# Altium PCB TimeCard-DC-V1.PcbDoc (part 2 of 3)
Units mil, origin at the board's own origin, x right, y up, seen from the top; angles counter-clockwise.
Board outline 7087.6 x 4375.98 mil, 6 copper layers (TOP, SGND, IN1, IN2, SGND1, BOTTOM), stack 47.2 mil thick; 120 components, 111 nets, 769 pads, 335 vias.
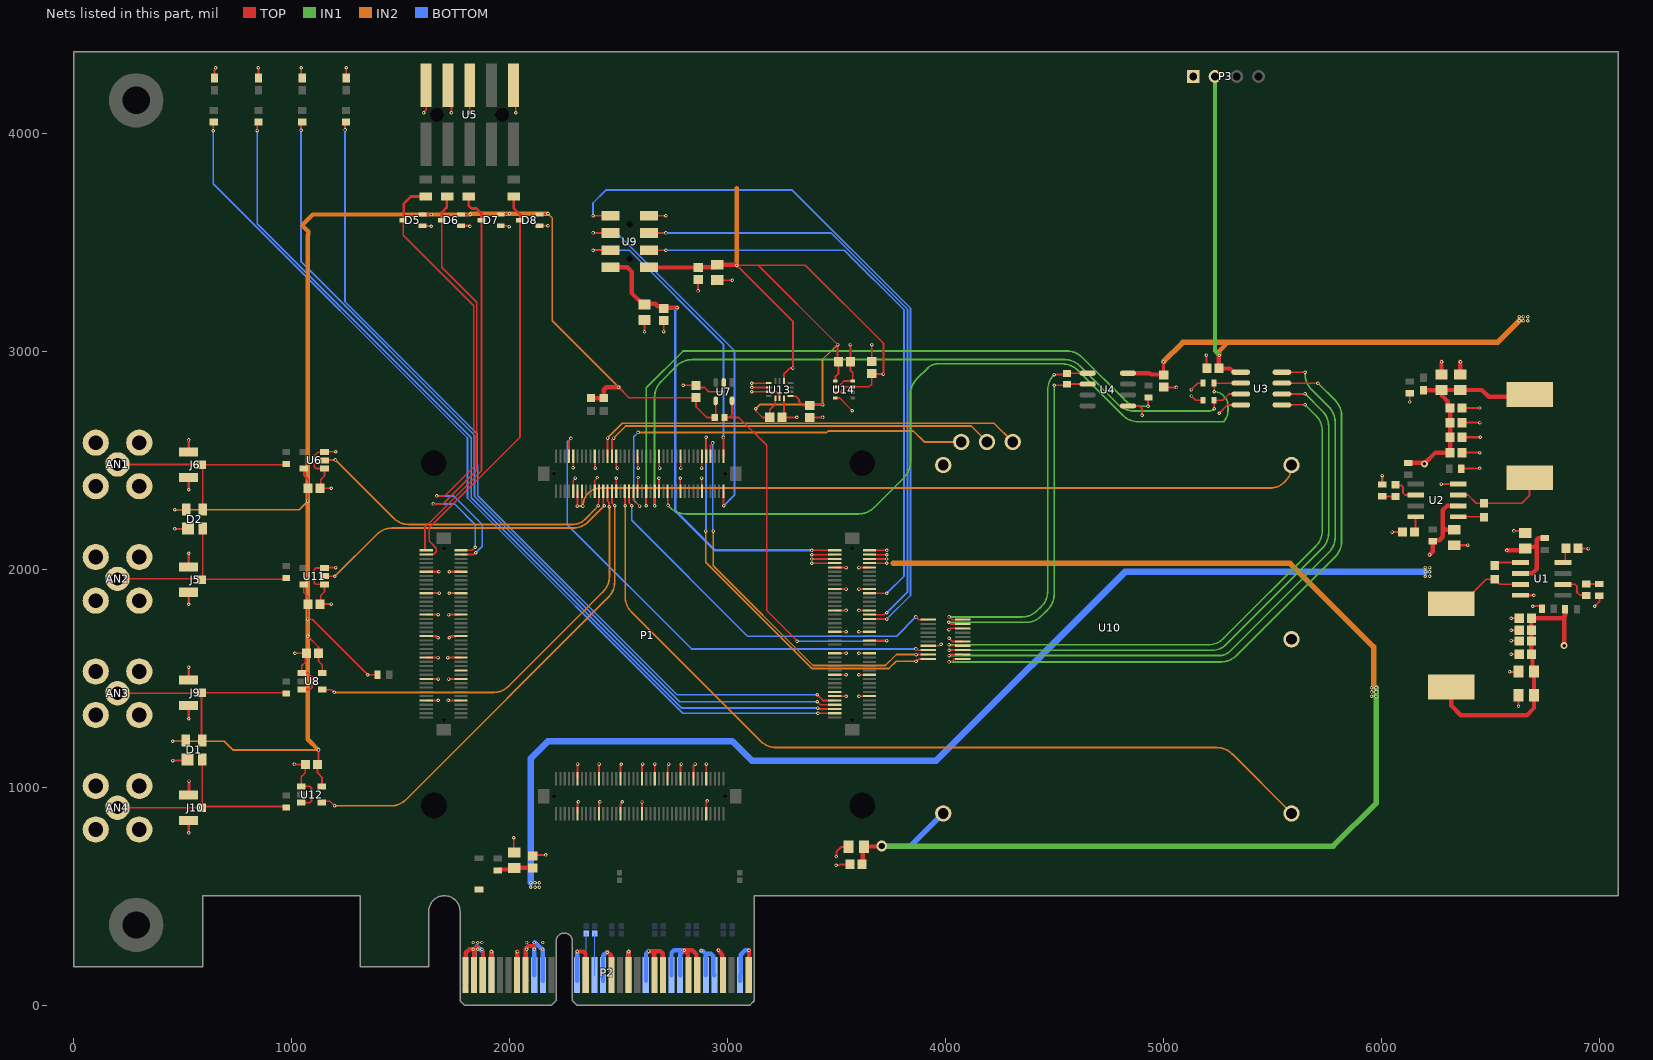
[diagram p6: the nets of this part, all layers, seen from the top]

## Via types
v1: diameter 16, hole 8, TOP to BOTTOM, tented both sides, 328 vias
v2: diameter 200, hole 122, TOP to BOTTOM, 4 vias
v3: diameter 32, hole 16, TOP to BOTTOM, tented both sides, 2 vias
v4: diameter 50, hole 28, TOP to BOTTOM, 1 vias

## Nets (pads, with @x,y where several pads share a name; then routed paths per layer and width w, separated by ;. In a path a pad name is that pad's centre, name@x,y a point inside that pad or via, vN(x,y) a via of type N, cw(c..) or ccw(c..) an arc to the next point about the centre after c; other vN are vias at no path point)
+3.3V: C7.1 C8.1 C9.2 C10.2 C11.2 C12.2 C23.2 C24.1 C25.2 C26.1 C27.1 C28.1 C29.1 C30.2 C31.2 C32.2 C33.2 C58.1 C59.2 D1.4 D2.4 D4.2 D5.2 D6.2 D7.2 D8.2 D11.2 D12.2 D13.2 D14.2 L2.1 P3.2 R5.2 R22.2 R26.2 R27.2 R37.2 U3.1 U4.8 U5.4 U5.6 U6.5 U7.4 U8.5 U9.2 U11.5 U12.5 U13.5 U13.8 U13.12 U14.2 U14.6 U14.8 | length 17224.9
  TOP w8: v1(452.76,1210.63) 509.84,1210.63 D1.4@513.78,1214.57 ; v1(462.6,2273.62) D2.4@515.75,2273.62 ; D11.2@644.84,4254.61 644.84,4294.25 649.61,4299.02 v1(649.61,4301.18) ; v1(846.46,4301.18) 846.46,4254.66 D12.2@846.51,4254.61 ; v1(1043.31,4301.18) 1043.31,4259.47 D13.2@1048.18,4254.61 ; U11.5@1055.12,1931.1 1054.13,1930.12 1054.13,1893.7 1074.8,1873.03 C27.1@1074.8,1840.55 1072.83,1838.58 v1(1072.83,1771.65) 1073.15,1771.34 1092.83,1771.34 v1(1348.43,1515.75) R22.2@1392.52,1515.75 ; U6.5@1055.12,2462.6 1055.12,2431.1 1074.8,2411.42 C26.1@1074.8,2372.05 1072.83,2370.08 v1(1072.83,2312.99) ; v1(1072.83,1692.91) 1122.05,1643.7 1122.05,1578.74 1139.76,1561.02 U8.5@1139.76,1523.62 ; v1(1122.05,1171.26) 1122.05,1108.27 C28.1@1118.11,1104.33 1118.11,1065.94 1137.8,1046.26 U12.5@1137.8,1003.94 ; D14.2@1249.84,4254.61 1250,4254.76 v1(1250,4301.18) ; D5.2@1599.57,3628.11 v1(1639.92,3628.11) ; U5.4@1716.1,4221.14 1732.28,4204.96 v1(1732.28,4094.49) ; D6.2@1776.57,3627.95 1777.08,3628.46 1817.44,3628.46 v1(1817.94,3628.97) ; v1(1811.02,4094.49) 1811.02,4096.65 1816.1,4101.73 U5.6@1816.1,4146.14 ; D7.2@1958.66,3627.95 1961.07,3630.36 1996.5,3630.36 v1(1998.03,3631.89) ; D8.2@2135.83,3627.95 2138.23,3630.36 2173.67,3630.36 v1(2175.2,3631.89) ; v1(2499.38,2835.27) 2547.24,2787.4 C25.2@2854.33,2787.4 2854.33,2746.06 2903.54,2696.85 R37.2@2939.96,2696.85 2944.88,2701.77 U7.4@2944.88,2772.98 ; v1(3128.94,2737.2) 3129.92,2736.22 3129.92,2726.38 3159.45,2696.85 C32.2@3192.91,2696.85 3192.91,2732.28 3218.5,2757.87 U13.5@3218.5,2784.94 ; U13.12@3257.87,2864.67 3257.87,2894.69 3287.4,2924.21 v1@3299.18,2924.21 ; U13.8@3287.89,2795.28 3288.81,2794.35 3311.95,2794.35 3326.77,2779.53 3326.77,2770.67 3345.47,2751.97 C33.2@3375.98,2751.97 3379.92,2755.91 v1(3435.04,2755.91) ; v1(3299.18,2923.62) v1@3299.18,2924.21 ; U14.6@3493.11,2812.01 3516.73,2812.01 3542.32,2837.6 U14.2@3573.82,2837.6 3648.62,2837.6 3660.43,2849.41 3660.43,2896.65 C31.2@3661.42,2897.64 3662.89,2896.16 v1(3714.76,2896.16) 3714.76,3037.2 3356.3,3395.67 3139.76,3395.67 ; U14.8@3493.11,2863.19 3494.09,2864.17 3494.09,2882.87 3507.87,2896.65 C30.2@3507.87,2952.76 3503.94,2956.69 v1(3503.94,3031.18) 3503.94,3031.5 3139.76,3395.67 ; 3139.76,3395.67 v1(3041.34,3395.67) 3299.18,3137.83 v1@3299.18,2924.21
  TOP w12: C24.1@5000,2891.73 v1(5000,2952.76)
  TOP w20: D5.2@1599.41,3627.95 D5.2@1599.57,3628.11 ; R27.2@2372.05,2785.43 R26.2@2431.1,2785.43 2431.1,2823.91 2442.82,2835.63 2499.02,2835.63 v1(2499.38,2835.27) ; U9.2@2637.8,3385.83 2638.78,3384.84 2863.19,3384.84 2864.17,3385.83 2940.94,3385.83 C58.1@2952.76,3397.64 3039.37,3397.64 v1(3041.34,3395.67) ; U4.8@4836.61,2899.8 4934.84,2899.8 4940.94,2893.7 4998.03,2893.7 C24.1@5000,2891.73 ; v1(5255.91,2982.28) 5253.94,2980.31 C23.2@5253.94,2923.23 5255.59,2921.58 5304.61,2921.58 5321.85,2904.33 U3.1@5354.33,2904.33 ; R5.2@6122.84,2488.23 6189.63,2488.23 6193.6,2484.25 v3(6196.85,2484.25) 6248.03,2535.43 C10.2@6314.96,2535.43 C10.2@6312.99,2533.46 ; D4.2@6192.91,2821.85 6193.41,2822.34 6275.1,2822.34 C7.1@6275.59,2822.83 ; C10.2@6314.96,2536.42 C11.2@6314.96,2606.3 C12.2@6314.96,2673.23 6314.96,2724.41 6304.29,2735.08 6304.29,2770.51 6279.53,2795.28 6279.53,2818.9 C7.1@6275.59,2822.83 ; L2.1@6679.84,2802.01 6669.17,2791.34 6492.13,2791.34 6460.63,2822.83 C8.1@6362.2,2822.83 C7.1@6275.59,2822.83
  IN1 w20: P3.2@5236.22,4261.81 5236.22,3001.97 v1(5255.91,2982.28)
  IN2 w8: v1(452.76,1210.63) 688.98,1210.63 728.35,1171.26 v1(1122.05,1171.26) ; v1(462.6,2273.62) 1033.46,2273.62 v1(1072.83,2312.99) ; v1(2175.2,3631.89) 2194.88,3612.2 2194.88,3139.76 v1(2499.38,2835.27) ; v1(3128.94,2737.2) 3147.64,2755.91 v1(3435.04,2755.91) 3435.04,2962.6 3503.62,3031.18 v1(3503.94,3031.18)
  IN2 w20: v1(1122.05,1171.26) 1072.83,1220.47 v1(1072.83,1771.65) v1(1072.83,2312.99) 1072.83,3533.46 1074.39,3535.02 1074.39,3551.59 1046.67,3579.31 1095.47,3628.11 v1(1639.92,3628.11) 1817.09,3628.11 v1(1817.94,3628.97) 1820.87,3631.89 v1(1998.03,3631.89) v1(2175.2,3631.89) ; v1(3041.34,3395.67) 3041.34,3750 ; v1(5255.91,2982.28) 5255.91,3001.97 5295.28,3041.34
  IN2 w25: v1(5000,2952.76) 5088.58,3041.34 5295.28,3041.34 6532.91,3041.34 v1(6631.71,3140.14)
  other v1: 6651.4,3140.14 6671.08,3140.14 6631.71,3159.82 6651.4,3159.82 6671.08,3159.82
+3.3V_PCIE: P2.A9 P2.A10 P2.B8 | length 481.9
  TOP w20: P2.B8@2072.84,137.8 2072.84,259.84 2084.65,271.65 2112.2,271.65 ; P2.B8@2073.62,111.06 P2.B8@2076.7,114.14
  BOTTOM w20: P2.A9@2112.21,137.8 v1(2112.2,255.91) ; v1@2114.84,288.7 2151.14,252.4 2151.14,112.29 P2.A10@2152.36,111.06
  other v1: 2076.77,255.91 2151.57,255.91 2076.77,287.4 2112.2,287.4 2151.57,287.4
+5.0V: C13.1 C14.1 C15.2 C16.2 C17.2 C18.2 C60.1 C61.2 C62.1 C63.2 L1.1 P1.A-1 P1.A-2 P1.A-3 P1.A-4 P1.A-5 P1.A-6 P1.A-7 P1.A-8 R4.1 U9.1 U10.P5 | length 10015.8
  TOP w8: v1(3385.83,2027.56) 3386.12,2027.86 3491.34,2027.86 P1.A-7@3491.63,2028.16 ; v1(3385.83,2047.24) 3386.13,2047.54 3491.33,2047.54 P1.A-5@3491.63,2047.85 ; v1(3385.83,2066.93) 3386.12,2067.23 3491.34,2067.23 P1.A-3@3491.63,2067.53 ; v1(3385.83,2086.61) 3386.13,2086.91 3491.33,2086.91 P1.A-1@3491.63,2087.22 ; P1.A-8@3651.07,2028.16 3651.37,2027.86 3730.02,2027.86 v1(3730.31,2027.56) ; P1.A-6@3651.07,2047.85 3651.38,2047.54 3730.01,2047.54 v1(3730.31,2047.24) ; P1.A-4@3651.07,2067.53 3651.37,2067.23 3730.02,2067.23 v1(3730.31,2066.93) ; P1.A-2@3651.07,2087.22 3651.38,2086.91 3730.01,2086.91 v1(3730.31,2086.61) ; L1.1@6316.42,1456.69 L1.1@6319.84,1460.12
  TOP w20: U9.1@2462.8,3385.83 2539.37,3385.83 2559.06,3366.14 2559.06,3267.72 2612.2,3214.57 C60.1@2618.11,3214.57 2622.05,3218.5 2667.32,3218.5 2678.31,3207.52 2696.02,3207.52 C61.2@2706.69,3196.85 2710.63,3200.79 v1(2767.72,3200.79) ; C63.2@3615.16,645.67 3620.06,650.57 3620.06,721.16 3626.59,727.7 3705.06,727.7 v4(3706.69,729.33) ; L1.1@6319.84,1460.12 6319.84,1375.04 6364.17,1330.71 6667.32,1330.71 6700.28,1363.66 C13.1@6700.28,1421.06 C14.1@6700.28,1531.06 6692.91,1538.43 6692.91,1605.55 C15.2@6687.4,1611.06 C16.2@6687.4,1671.06 C17.2@6687.4,1721.06 C18.2@6687.4,1776.06 6822.9,1776.06 ccw(c6822.9,1796.06) 6837.01,1781.89 6838.58,1783.46 ; v3(6838.58,1649.61) 6838.58,1783.46 ; R4.1@6842.68,1816.06 6842.68,1787.56 6838.58,1783.46
  IN1 w25: v4(3706.69,729.33) 5778.54,729.33 5976.38,927.17 5976.38,1437.01 5975.39,1437.99 5975.39,1455.71 v1(5974.41,1456.69)
  IN2 w25: 3759.84,2027.56 5580.71,2027.56 5964.57,1643.7 5964.57,1466.54 v1(5974.41,1456.69)
  BOTTOM w12: v1(2767.72,3200.79) 2767.72,3199.7 2759.84,3191.83 2759.84,2267.72 2940.94,2086.61 v1(3385.83,2086.61)
  BOTTOM w25: v4(3706.69,729.33) 3838.29,729.33 U10.P5@3988.88,879.92
  other v1: 5954.72,1417.32 5974.41,1417.32 5954.72,1437.01 5974.41,1437.01 5954.72,1456.69
+12V: C1.1 C2.2 C5.1 C6.1 F1.2 R2.2 R3.2 U1.2 U2.2 | length 6058.5
  TOP w20: F1.2@1944.88,618.11 1949.06,622.28 2012.05,622.28 C1.1@2019.68,629.92 C2.2@2106.3,629.92 ; v1(6220.47,2066.93) 6234.84,2081.3 R3.2@6234.84,2128.9 6239.02,2133.07 6264.96,2133.07 6281.5,2149.61 6281.5,2192.91 ; C5.1@6334.84,2181.28 6293.13,2181.28 6281.5,2192.91 ; U2.2@6352.28,2291.06 6300.91,2291.06 6281.5,2271.65 6281.5,2192.91 ; v1(6574.8,2086.61) 6650.83,2086.61 6666.55,2102.34 6700.44,2102.34 6712.16,2114.06 ; U1.2@6637.4,1981.06 6691.69,1981.06 6712.16,2001.53 6712.16,2114.06 ; R2.2@6749.84,2143.23 6720,2143.23 6712.16,2135.39 6712.16,2114.06
  BOTTOM w30: v1(2096.46,561.02) 2096.46,1131.89 2175.2,1210.63 3021.65,1210.63 3110.24,1122.05 3956.69,1122.05 4822.83,1988.19 v1(6200.79,1988.19)
  other v1: 2096.46,541.34 2116.14,541.34 2135.83,541.34 2116.14,561.02 2135.83,561.02 6200.79,1968.5 6220.47,1968.5 6220.47,1988.19 6200.79,2007.87 6220.47,2007.87
+12V_PCIE: D3.2 P2.A2 P2.A3 P2.B1 P2.B2 P2.B3 | length 818.1
  TOP w20: P2.B1@1798.03,111.06 1798.03,239.96 1815.07,257 1835.78,257 1846.6,267.82 1849.84,267.82 1837.4,255.38 P2.B2@1837.4,111.06 ; P2.B3@1876.77,111.06 1876.77,240.89
  BOTTOM w20: P2.A2@1837.4,111.06 1837.4,255.91 1837.4,257.54 1849.84,269.98 1876.77,243.05 P2.A3@1876.77,111.06
  other v1: 1832.68,255.91 1852.36,255.91 1872.05,255.91 1832.68,287.4 1852.36,287.4 1872.05,287.4
ANT1: P1.B-21 U6.2 | length 1475.9
  TOP w8: U6.2@1149.61,2500 1151.57,2501.97 v1(1199.8,2501.97) ; v1(2406.13,2292.69) 2408.47,2315.88 ccw(c2400.51,2316.69) 2408.51,2316.69 2408.51,2357.76 P1.B-21@2409.43,2358.68
  IN2 w8: v1(1199.8,2501.97) 1466.77,2235 ccw(c1537.48,2305.71) 1537.48,2205.71 2290.35,2205.71 ccw(c2290.35,2281.75) 2344.12,2227.98 2390.51,2274.37 ccw(c2384.87,2280.04) 2390.96,2274.85 v1(2406.13,2292.69)
ANT2: P1.B-23 U11.2 | length 1478.4
  TOP w8: U11.2@1149.61,1968.5 1150.59,1967.52 v1(1196.85,1967.52) ; P1.B-23@2429.12,2358.68 2429.12,2297.45 2433.07,2293.5 v1(2433.07,2291.34)
  IN2 w8: v1(1196.85,1967.52) 1389.02,2159.69 cw(c1459.73,2088.98) 1459.73,2188.98 2289.29,2188.98 ccw(c2289.29,2288.98) 2360,2218.27 v1(2433.07,2291.34)
ANT3: P1.B-25 U8.4 | length 1954.1
  TOP w8: U8.4@1139.76,1448.82 1141.73,1446.85 1179.92,1446.85 1191.73,1435.04 v1(1193.9,1435.04) ; P1.B-25@2448.8,2358.68 2448.82,2312.98 2455.21,2306.59 2455.21,2288.91 v1(2456.74,2287.38)
  IN2 w8: v1(1193.9,1435.04) 1925.11,1435.04 ccw(c1925.11,1535.04) 1995.82,1464.33 2427.78,1896.29 ccw(c2357.07,1967) 2457.07,1967 2457.07,2287.05 v1(2456.74,2287.38)
ANT4: P1.B-27 U12.4 | length 2217.6
  TOP w8: U12.4@1137.8,929.13 1143.7,935.04 1175.2,935.04 v1(1195.87,914.37) ; P1.B-27@2468.49,2358.68 2468.49,2306.08 2481.07,2293.5 v1(2481.07,2291.34)
  IN2 w8: v1(1195.87,914.37) 1453.66,914.37 ccw(c1453.66,1014.37) 1524.37,943.66 2451.78,1871.07 ccw(c2381.07,1941.78) 2481.07,1941.78 v1(2481.07,2291.34)
EXT_EEPROM_WP: P1.A-44 R37.1 U7.5 | length 1775.4
  TOP w8: R37.1@2986.22,2695.87 R37.1@2985.24,2696.85 3007.87,2696.85 ; U7.5@3019.69,2772.98 3019.69,2708.66 3007.87,2696.85 ; v1@3316.93,1673.23 3179.13,1811.02 3179.13,2568.9 3051.18,2696.85 3007.87,2696.85 ; P1.A-44@3651.07,1673.83 3651.37,1673.53 3729.7,1673.53 v1(3730.31,1672.91)
  BOTTOM w8: v1(3318.02,1669.52) 3724.75,1669.52 3728.15,1672.91 v1(3730.31,1672.91)
FPGA_MAC_PPS_IN0-: P1.B-47 R11.2 U3.3 | length 3486.8
  TOP w8: v1(2664.37,2291.34) 2664.86,2291.83 2664.86,2358.19 P1.B-47@2665.34,2358.68 ; v1(5232.28,2736.22) R11.2@5232.28,2775.59 5271.65,2775.59 5300.39,2804.33 U3.3@5354.33,2804.33
  IN1 w8: v1(2664.37,2291.34) 2664.37,2790.27 cw(c2764.37,2790.27) 2693.66,2860.98 2765.99,2933.31 cw(c2836.7,2862.6) 2836.7,2962.6 4545.19,2962.6 cw(c4545.19,2862.6) 4615.9,2933.31 4793.55,2755.67 ccw(c4864.26,2826.38) 4864.26,2726.38 5208.52,2726.38 ccw(c5208.52,2759.98) v1(5232.28,2736.22)
FPGA_MAC_PPS_IN1-: P1.B-53 R10.2 U3.2 | length 3569
  TOP w8: P1.B-53@2724.39,2358.68 2724.39,2297.45 2726.38,2295.47 v1(2726.38,2293.31) ; v1(5232.28,2814.96) R10.2@5232.28,2854.33 U3.2@5354.33,2854.33
  IN1 w8: v1(2726.38,2293.31) 2736.46,2283.23 ccw(c2807.17,2353.94) 2807.17,2253.94 3600.31,2253.94 ccw(c3600.31,2353.94) 3671.02,2283.23 3809.29,2421.5 ccw(c3738.58,2492.21) 3838.58,2492.21 3838.58,2803.07 cw(c3938.58,2803.07) 3867.87,2873.78 3917.32,2923.23 cw(c3964.85,2875.7) 3964.85,2942.91 4535.35,2942.91 cw(c4535.35,2842.91) 4606.06,2913.62 4813.23,2706.45 ccw(c4883.94,2777.17) 4883.94,2677.17 5275.59,2677.17 ccw(c5228.07,2724.69) 5295.28,2724.69 5295.28,2755.91 ccw(c5247.75,2755.91) 5281.36,2789.51 5272.61,2798.26 ccw(c5232.28,2757.93) v1(5232.28,2814.96)
FPGA_MAC_PPS_OUT-: P1.B-43 R13.2 | length 3118.7
  TOP w8: v1(2625.98,2291.34) P1.B-43@2625.97,2358.68 ; v1(4929.13,2748.03) 4929.13,2785.43 R13.2@4931.1,2787.4
  IN1 w8: v1(2625.98,2291.34) 2625.98,2832.68 2795.28,3001.97 4555.04,3001.97 cw(c4555.04,2901.97) 4625.75,2972.68 4821.1,2777.32 ccw(c4891.82,2848.03) 4891.82,2748.03 v1(4929.13,2748.03)
FPGA_TCK: D5.3 P1.C-77 R18.1 | length 2160.2
  TOP w8: D5.3@1510.83,3602.36 1510.83,3533.46 1834.65,3209.65 1834.65,2469.49 1701.77,2336.61 v1(1664.37,2336.61) ; P1.C-77@1776.55,2067.7 1833.78,2067.7 1842.12,2076.04 v1(1844.29,2076.04)
  TOP w12: D5.3@1510.83,3602.36 1513.78,3605.32 1513.78,3678.15 1546.26,3710.63 R18.1@1614.17,3710.63
  BOTTOM w8: v1(1664.37,2336.61) 1743.11,2336.61 1874.02,2205.71 1874.02,2105.77 v1(1844.29,2076.04)
FPGA_TDI: D8.3 P1.C-78 R21.1 | length 1879.7
  TOP w8: P1.C-78@1616.72,2067.57 1616.86,2067.7 1617.64,2068.49 1650.36,2068.49 1662.4,2080.53 1662.4,2097.44 1629.92,2129.92 1629.92,2189.96 2047.24,2607.28 D8.3@2047.24,3602.36
  TOP w12: R21.1@2017.72,3710.63 2017.72,3658.46 2047.24,3628.94 D8.3@2047.24,3602.36
FPGA_TDO: D6.3 P1.C-79 R19.1 | length 2034.7
  TOP w8: v1(1649.61,2300.2) 1693.9,2300.2 1848.43,2454.72 1848.43,3225.39 1687.99,3385.83 D6.3@1687.99,3602.36 ; R19.1@1702.76,3710.63 R19.1@1712.6,3710.63 ; P1.C-79@1752.44,2087.39 1827.35,2087.39 v1(1841.44,2101.48)
  TOP w12: D6.3@1687.99,3602.36 1687.99,3637.8 1710.63,3660.43 1710.63,3708.66 R19.1@1712.6,3710.63
  BOTTOM w8: v1(1649.61,2300.2) 1746.06,2300.2 1841.44,2204.82 v1(1841.44,2101.48)
FPGA_TMS: D7.3 P1.C-80 R20.1 | length 1766.4
  TOP w8: P1.C-80@1611.22,2088.58 1611.22,2193.9 1870.08,2452.76 D7.3@1870.08,3602.36
  TOP w12: R20.1@1811.02,3710.63 1811.02,3669.29 1824.8,3655.51 1846.46,3655.51 1870.08,3631.89 D7.3@1870.08,3602.36
GND: AN1.2 AN1.3 AN1.4 AN1.5 AN2.2 AN2.3 AN2.4 AN2.5 AN3.2 AN3.3 AN3.4 AN3.5 AN4.2 AN4.3 AN4.4 AN4.5 C1.2 C2.1 C5.2 C6.2 C7.2 C8.2 C9.1 C10.1 C11.1 C12.1 C13.2 C14.2 C15.1 C16.1 C17.1 C18.1 C19.1 C21.1 C23.1 C24.2 C25.1 C26.2 C27.2 C28.2 C29.2 C30.1 C31.1 C32.1 C33.1 C58.2 C59.1 C60.2 C61.1 C62.2 C63.1 D1.1 D2.1 D5.1 D6.1 D7.1 D8.1 J5.1 J5.3 J6.1 J6.3 J9.1 J9.3 J10.1 J10.3 P1.A-9 P1.A-10 P1.A-19 P1.A-20 P1.A-29 P1.A-30 P1.A-39 P1.A-40 P1.A-49 P1.A-50 P1.A-59 P1.A-60 P1.A-69 P1.A-70 P1.B-9 P1.B-10 P1.B-19 P1.B-20 P1.B-29 P1.B-30 P1.B-39 P1.B-40 P1.B-49 P1.B-50 P1.B-59 P1.B-60 P1.B-69 P1.B-70 P1.C-9 P1.C-10 P1.C-19 P1.C-20 P1.C-29 P1.C-30 P1.C-39 P1.C-40 P1.C-49 P1.C-50 P1.C-59 P1.C-60 P1.C-69 P1.C-70 P1.D-9 P1.D-10 P1.D-15 P1.D-21 P1.D-27 P1.D-33 P1.D-39 P1.D-40 P1.D-49 P1.D-50 P1.D-59 P1.D-60 P1.D-69 P1.D-70 P2.A4 P2.A12 P2.A15 P2.A18 P2.A20 P2.A23 P2.A24 P2.A27 P2.A28 P2.A31 P2.B4 P2.B7 P2.B13 P2.B16 P2.B18 P2.B21 P2.B22 P2.B25 P2.B26 P2.B29 P2.B32 P3.1 R1.1 R6.1 R7.1 R8.1 R9.1 R10.1 R11.1 U1.4 U2.4 U3.4 U4.5 U5.2 U5.10 U6.1 U6.3 U7.2 U8.1 U8.3 U9.8 U10.8 U10.9 U10.15 U10.P2 U10.P4 U11.1 U11.3 U12.1 U12.3 U13.1 U13.2 U13.3 U13.6 U13.7 U14.1 U14.5 U14.7 | length 12387.9
  TOP w8: v1(452.76,1122.05) 515.75,1122.05 D1.1@521.65,1127.95 ; v1(462.6,2185.04) 521.65,2185.04 D2.1@523.62,2187.01 ; v1(1011.81,1104.33) C28.2@1062.99,1104.33 1061.02,1102.36 1061.02,1064.96 1043.31,1047.24 U12.1@1043.31,1003.94 1082.68,1003.94 1090.55,996.06 1090.55,937.01 1082.68,929.13 U12.3@1043.31,929.13 ; v1(1013.78,1614.17) C29.2@1066.93,1614.17 1062.99,1610.24 1062.99,1574.8 1045.28,1557.09 U8.1@1045.28,1523.62 1047.24,1525.59 1072.83,1525.59 1092.52,1505.91 1092.52,1456.69 1084.65,1448.82 U8.3@1045.28,1448.82 U8.3@1043.31,1446.85 ; v1(1181.1,1840.55) C27.2@1129.92,1840.55 1131.89,1842.52 1131.89,1879.92 1149.61,1897.64 U11.1@1149.61,1931.1 1110.24,1931.1 1102.36,1938.98 1102.36,1998.03 1110.24,2005.91 U11.3@1149.61,2005.91 1151.57,2007.87 v1(1200.79,2007.87) ; v1(1181.1,2372.05) C26.2@1129.92,2372.05 1131.89,2374.02 1131.89,2411.42 1149.61,2429.13 U6.1@1149.61,2462.6 1110.24,2462.6 1102.36,2470.47 1102.36,2519.69 1120.08,2537.4 U6.3@1149.61,2537.4 1151.57,2539.37 v1(1200.79,2539.37) ; D5.1@1599.41,3576.77 1600.39,3575.79 1638.58,3575.79 v1(1639.57,3574.8) ; v1(1604.33,4094.49) 1604.33,4096.65 1616.1,4108.42 U5.2@1616.1,4221.14 ; D7.1@1958.66,3576.77 1991.93,3576.77 1995.87,3572.83 v1(1998.03,3572.83) ; U5.10@2016.1,4221.14 2027.56,4209.68 v1(2027.56,4094.49) ; v1(2017.72,767.72) 2017.72,702.76 C1.2@2019.68,700.79 ; C2.1@2106.3,685.04 2110.24,688.98 v1(2165.35,688.98) ; D8.1@2135.83,3576.77 2135.92,3576.86 2174.79,3576.86 v1(2174.88,3576.95) ; v1(2290.35,2465.55) 2291.32,2466.52 P1.B-10@2291.32,2518.12 ; P1.B-9@2291.32,2358.68 2291.32,2407.67 2300.2,2416.54 v1(2300.2,2418.7) ; P1.D-70@2311.02,877.95 2311.02,926.97 2314.96,930.91 v1(2314.96,933.07) ; P1.D-69@2311.02,1037.39 v1(2311.02,1106.3) ; P1.B-19@2389.75,2358.68 2389.75,2407.28 2401.57,2419.1 v1(2401.57,2421.26) ; P1.B-20@2389.75,2518.12 2390.67,2517.2 2390.67,2465.62 v1(2391.73,2464.57) ; P1.D-60@2409.44,877.95 2409.44,926.97 2413.39,930.91 v1(2413.39,933.07) ; P1.D-59@2409.45,1037.39 v1(2409.45,1106.3) ; P1.B-29@2488.17,2358.68 v1(2488.19,2418.31) ; P1.B-30@2488.17,2518.12 2488.17,2472.65 2494.09,2466.73 v1(2494.09,2464.57) ; P1.D-50@2507.87,877.95 2507.87,923.03 2515.75,930.91 v1(2515.75,933.07) ; P1.D-49@2507.87,1037.39 2507.87,1099.81 2511.81,1103.74 v1(2511.81,1105.91) ; P1.B-39@2586.6,2358.68 2586.6,2416.8 2588.9,2419.1 v1(2588.9,2421.26) ; P1.B-40@2586.6,2518.12 2587.52,2517.2 2587.52,2465.94 v1(2588.9,2464.57) ; v1(2618.11,3090.55) C60.2@2618.11,3143.7 ; U9.8@2637.8,3622.05 v1(2716.54,3622.05) ; P1.D-33@2665.35,1037.39 v1(2665.35,1106.3) ; v1(2684.37,2418.31) 2684.7,2417.98 2684.7,2359 P1.B-49@2685.02,2358.68 ; P1.B-50@2685.02,2518.12 2685.94,2517.2 2685.94,2465.63 v1(2687.01,2464.57) ; v1(2706.69,3090.87) C61.1@2706.69,3141.73 ; P1.D-27@2724.4,1037.39 2724.4,1100.19 2728.35,1104.13 v1(2728.35,1106.3) ; v1(2782.48,2418.31) 2782.48,2388.45 2782.53,2388.4 2782.53,2359.6 P1.B-59@2783.45,2358.68 ; P1.D-21@2783.46,1037.39 2783.46,1100.2 2787.4,1104.13 v1(2787.4,1106.3) ; P1.B-60@2783.45,2518.12 2784.37,2517.2 2784.37,2465.63 v1(2785.43,2464.57) ; v1(2795.28,2844.49) 2852.36,2844.49 2862.2,2834.65 2893.7,2834.65 2913.39,2814.96 2972.44,2814.96 2982.28,2824.8 U7.2@2982.28,2856.94 ; P1.D-15@2842.51,1037.39 2842.51,1096.26 2850.39,1104.13 v1(2850.39,1106.3) ; v1(2864.17,3277.56) C59.1@2864.17,3328.74 ; v1(2880.59,2418.69) 2881.23,2418.05 2881.23,2359.32 P1.B-69@2881.87,2358.68 ; v1(2880.59,2464.57) 2881.23,2465.22 2881.23,2517.47 P1.B-70@2881.87,2518.12 ; P1.D-10@2901.57,877.95 2901.57,930.91 2905.51,934.84 v1(2905.51,937.01) ; P1.D-9@2901.57,1037.39 v1(2901.57,1106.3) ; C58.2@2960.63,3334.65 2968.5,3326.77 v1(3021.65,3326.77) ; v1(3110.24,2814.96) U13.3@3188.48,2814.96 3223.66,2814.96 3237.27,2801.36 3237.27,2785.86 U13.6@3238.19,2784.94 ; v1(3110.24,2834.65) U13.2@3188.48,2834.65 ; v1(3110.24,2854.33) U13.1@3188.48,2854.33 ; U13.7@3257.87,2784.94 3257.87,2706.69 C32.1@3248.03,2696.85 v1(3316.93,2696.85) ; C33.1@3375.98,2696.85 v1(3435.04,2696.85) ; P1.A-69@3491.63,1417.93 3491.94,1417.62 3543.01,1417.62 v1(3543.31,1417.32) ; P1.A-59@3491.63,1516.35 3491.93,1516.05 3543.01,1516.05 v1(3543.31,1515.75) ; P1.A-49@3491.63,1614.78 3491.94,1614.47 3543.01,1614.47 v1(3543.31,1614.17) ; P1.A-39@3491.63,1713.2 3491.78,1713.05 3543.17,1713.05 v1(3543.31,1712.91) ; P1.A-29@3491.63,1811.63 3491.94,1811.32 3543.01,1811.32 v1(3543.31,1811.02) ; P1.A-19@3491.63,1910.05 3491.93,1909.75 3543.01,1909.75 v1(3543.31,1909.45) ; P1.A-9@3491.63,2008.48 3491.94,2008.17 3543.01,2008.17 v1(3543.31,2007.87) ; U14.5@3493.11,2786.42 3512.8,2786.42 v1@3572.83,2726.38 ; U14.7@3493.11,2837.6 3496,2840.49 3509.78,2840.49 3533.46,2864.17 3572.83,2864.17 U14.1@3573.82,2863.19 3573.82,2902.56 3562.99,2913.39 v1(3562.99,3031.18) ; v1(3497.05,641.73) 3512.8,641.73 3516.73,645.67 C63.1@3560.04,645.67 ; v1(3602.36,1417.32) 3602.66,1417.62 3650.77,1417.62 P1.A-70@3651.07,1417.93 ; v1(3602.36,1515.75) 3602.66,1516.05 3650.78,1516.05 P1.A-60@3651.07,1516.35 ; v1(3602.36,1614.17) 3602.66,1614.47 3650.77,1614.47 P1.A-50@3651.07,1614.78 ; v1(3602.36,1712.91) 3602.5,1713.05 3650.93,1713.05 P1.A-40@3651.07,1713.2 ; v1(3602.36,1811.02) 3602.66,1811.32 3650.77,1811.32 P1.A-30@3651.07,1811.63 ; v1(3602.36,1909.45) 3602.66,1909.75 3650.78,1909.75 P1.A-20@3651.07,1910.05 ; v1(3602.36,2007.87) 3602.66,2008.17 3650.77,2008.17 P1.A-10@3651.07,2008.48 ; C31.1@3661.42,2952.76 v1(3661.42,3031.18) ; U10.8@3920.57,1648.93 3969.6,1648.93 3976.83,1656.16 v1(3978.99,1656.16) ; v1(4015.33,1723.21) 4017.49,1723.21 4023.21,1728.93 U10.15@4078.05,1728.93 ; v1(4015.75,1683.07) 4029.89,1668.93 U10.9@4078.05,1668.93 ; U4.5@4836.61,2749.8 4887.99,2749.8 4901.57,2736.22 v1(4901.57,2706.38) ; C24.2@5000,2836.61 5001.97,2834.65 v1(5059.06,2834.65) ; v1(5127.95,2795.28) 5147.64,2775.59 R11.1@5181.1,2775.59 ; v1(5127.95,2824.8) 5157.48,2854.33 R10.1@5181.1,2854.33 ; v1(5196.85,2982.28) 5196.85,2925.2 C23.1@5198.82,2923.23 ; v1(5255.91,2716.54) 5293.7,2754.33 U3.4@5354.33,2754.33 ; v1(6129.92,2767.72) R1.1@6129.92,2807.48 ; v1(6594.49,1610.24) 6631.46,1610.24 C15.1@6632.28,1611.06 ; v1(6594.49,1673.23) 6630.12,1673.23 C16.1@6632.28,1671.06 ; v1(6978.84,1830.71) 7000,1851.87 R8.1@7000,1878.35
  TOP w10: P1.C-10@1617.11,1398.41 1671.19,1398.41 v1(1671.84,1399.06) ; P1.C-20@1617.11,1496.84 1617.19,1496.92 1645.66,1496.92 1645.8,1497.06 1670.84,1497.06 v1(1671.84,1496.06) ; P1.C-30@1617.11,1595.26 1670.64,1595.26 v1(1670.84,1595.06) ; P1.C-50@1617.11,1792.11 1617.16,1792.06 v1(1671.84,1792.06) ; P1.C-60@1617.11,1890.54 1675.32,1890.54 v1(1675.84,1891.06) ; P1.C-70@1617.11,1988.96 1674.74,1988.96 v1(1674.84,1989.06) ; P1.C-40@1642.23,1692.69 1662.23,1692.69 1669.22,1685.71 v1(1670.84,1685.71) ; v1(1714.84,1595.06) 1715.04,1595.26 P1.C-29@1776.55,1595.26 ; v1(1716.84,1399.06) 1717.49,1398.41 P1.C-9@1776.55,1398.41 ; v1(1718.84,1496.06) 1719.62,1496.84 P1.C-19@1776.55,1496.84 ; v1(1718.84,1792.06) v1(1718.84,1792.06) P1.C-49@1776.55,1792.11 ; v1(1721.84,1685.71) 1723.47,1685.71 1730.53,1692.77 P1.C-39@1750.65,1692.77 ; v1(1721.84,1890.06) 1722.32,1890.54 P1.C-59@1776.55,1890.54 ; v1(1721.84,1989.06) 1721.94,1988.96 P1.C-69@1776.55,1988.96 ; D6.1@1768.7,3576.77 1813.68,3576.77 1815.65,3574.8 v1(1817.27,3574.8) ; P1.D-39@2606.29,1062.9 2606.29,1100.73 2610.24,1104.68 v1(2610.24,1106.3) ; P1.D-40@2606.68,878.87 v1(2606.68,931.9) v1@2608.84,934.06 ; C58.2@2929.21,3308.06 C58.2@2929.21,3309.13 ; v1(3498.53,682.06) 3498.53,704.24 3520.35,726.06 C62.2@3554.09,726.06 C62.2@3554.09,723.49 ; R9.1@6003.94,2389.37 v1(6003.94,2430.2) ; v1(6048.84,2171.06) C21.1@6093.35,2171.06 ; v1(6274.84,2391.06) U2.4@6352.28,2391.06 ; C5.2@6334.84,2110.63 6395.41,2110.63 v1(6395.84,2111.06) ; C10.1@6359.45,2535.43 C10.1@6370.08,2535.43 v1(6450.84,2535.43) ; C11.1@6359.45,2606.3 C11.1@6370.08,2606.3 v1(6452.76,2606.3) ; C12.1@6359.45,2673.23 C12.1@6370.08,2673.23 v1(6451.82,2673.23) ; C9.1@6359.45,2740.16 C9.1@6370.08,2740.16 v1(6450.84,2740.16) ; R7.1@6365.75,2460.63 6367.75,2462.63 v1(6450.84,2462.63) ; v1(6587.8,1529.31) 6627.66,1529.31 C14.2@6629.41,1531.06 ; v1(6594.49,1720.47) 6642.32,1720.47 C17.1@6642.91,1721.06 ; v1(6594.49,1775.59) C18.1@6642.44,1775.59 ; v1(6607.84,2176.06) 6650.28,2176.06 C6.2@6659.84,2166.5 ; v1(6628.84,1372.06) 6629.41,1372.63 C13.2@6629.41,1421.06 ; U1.4@6637.4,1881.06 v1(6699.84,1881.06) ; v1(6694.78,1830.9) 6727.44,1830.9 6736.61,1821.72 R6.1@6736.61,1818.9 ; C19.1@6906.34,2096.06 6948.84,2096.06 v1(6949.84,2095.06)
  TOP w12: J10.1@525.59,847.44 526.89,846.14 v1(526.89,790.06) ; J10.3@525.59,963.58 527.89,965.88 v1(527.89,1028.06) ; J9.1@525.59,1375 526.89,1373.7 v1(526.89,1314.06) ; J9.3@525.59,1491.14 525.89,1491.44 v1(525.89,1551.06) ; J5.1@525.59,1894.69 526.89,1893.39 v1(526.89,1839.06) ; J5.3@525.59,2010.83 526.89,2012.13 v1(526.89,2073.06) ; J6.1@525.59,2422.24 526.89,2420.94 v1(526.89,2365.06) ; J6.3@525.59,2538.39 526.01,2538.81 v1(526.01,2593.89)
  TOP w20: v1@1915.49,244.76 1915.49,111.71 P2.B4@1916.14,111.06 ; P2.B7@2034.25,111.06 2034.25,245.47 v1(2034.84,246.06) ; v1(2309.84,246.06) 2338.58,246.06 2347.56,237.08 2347.56,112.71 P2.B13@2349.21,111.06 ; v1(2447.05,242.59) 2459.34,233.29 cw(c2447.32,217.31) 2467.32,217.31 P2.B16@2467.32,111.06 ; P2.B18@2545.45,111.67 2545.45,244.23 v1(2546.06,244.84) ; P2.B21@2663.39,137.8 2663.39,235.33 2651.67,247.05 2637.73,247.05 v1(2636.87,247.91) 2690.79,247.91 2702.5,236.19 P2.B22@2702.5,180.6 ; P2.B22@2702.76,137.8 2702.5,138.05 P2.B22@2702.5,180.6 ; P2.B22@2703.54,111.06 2703.54,179.56 P2.B22@2702.5,180.6 ; P2.B25@2820.87,137.8 2817.66,141 2817.66,233.52 2799.21,251.97 v1(2800,251.97) 2837.6,251.97 2856.54,233.03 2856.54,141.49 P2.B26@2860.24,137.8 ; v1(2957.48,251.97) 2969.71,237.9 cw(c2954.65,224.74) 2974.65,224.74 2974.65,141.49 P2.B29@2978.35,137.8 ; P2.B32@3097.24,111.06 3097.44,111.26 v1(3097.44,251.97) ; C7.2@6275.59,2893.7 v1(6275.59,2952.76) ; C8.2@6362.2,2893.7 v1(6362.2,2952.76)
  BOTTOM w20: P2.A4@1916.14,111.06 v1(1916.14,244.76) ; P2.A12@2309.84,111.06 v1(2309.84,246.06) ; P2.A15@2427.95,111.06 2427.95,218.88 cw(c2447.95,218.88) 2436.58,235.33 v1(2447.05,242.59) ; P2.A18@2546.06,111.06 v1(2546.06,244.84) ; P2.A20@2624.8,111.06 2624.8,235.83 v1(2636.87,247.91) ; P2.A23@2742.13,137.8 2742.13,240.25 2753.84,251.97 v1@2799.21,251.97 ; P2.A24@2781.5,137.8 2782.73,139.03 2782.73,235.49 v1@2799.21,251.97 ; v1(2800,251.97) v1@2799.21,251.97 ; v1@2878.31,249.6 cw(c2876.91,229.64) 2891.04,243.8 ; 2891.06,243.79 2898.86,235.98 ; P2.A27@2899.61,137.8 2898.86,138.54 2898.86,235.98 ; P2.A28@2938.98,137.8 2934.98,141.8 2934.98,224.26 2923.26,235.98 2898.86,235.98 ; P2.A31@3057.09,137.8 P2.A31@3058.32,139.03 ; P2.A31@3057.87,111.06 3058.32,111.51 P2.A31@3058.32,139.03 ; v1(3097.44,251.97) 3079.88,251.97 3059.3,231.39 3059.3,140.02 P2.A31@3058.32,139.03
  other v1: 2878.28,249.6 3571.85,2727.36
GPS1_RST: P1.A-22 U9.4 | length 2697.5
  TOP w8: U9.4@2637.8,3464.57 v1(2716.54,3464.57) ; P1.A-22@3651.07,1890.37 3651.38,1890.06 3730.01,1890.06 v1(3730.31,1889.76)
  BOTTOM w8: v1(2716.54,3464.57) 3534.76,3464.57 3809.06,3190.28 3809.06,1968.5 v1(3730.31,1889.76)
GPS1_RX: P1.B-79 U9.5 | length 1751.9
  TOP w8: v1(2381.89,3543.31) U9.5@2462.8,3543.31 ; P1.B-79@2980.3,2358.68 2980.8,2358.18 2980.8,2292.82 v1(2981.3,2292.32)
  BOTTOM w8: v1(2381.89,3543.31) 2490.16,3543.31 3031.5,3001.97 3031.5,2342.52 v1(2981.3,2292.32)
GPS1_TP1: P1.A-32 U9.6 | length 2846.7
  TOP w8: U9.6@2637.8,3543.31 v1(2716.54,3543.31) ; P1.A-32@3651.07,1791.94 3718.9,1791.94 3728.15,1801.18 v1(3730.31,1801.18)
  BOTTOM w8: v1(2716.54,3543.31) 3474.41,3543.31 3825.58,3192.13 3825.58,1896.45 v1(3730.31,1801.18)
GPS1_TP2: P1.A-34 U9.7 | length 3396.1
  TOP w8: v1(2381.89,3622.05) U9.7@2462.8,3622.05 ; P1.A-34@3651.07,1772.26 3651.38,1771.95 3730.01,1771.95 v1(3730.31,1771.65)
  BOTTOM w8: v1(2381.89,3622.05) 2381.89,3681.1 2440.94,3740.16 3295.94,3740.16 3838.58,3197.52 3838.58,1879.92 v1(3730.31,1771.65)
GPS1_TX: P1.B-80 U9.3 | length 1373.2
  TOP w8: v1(2381.89,3464.57) U9.3@2462.8,3464.57 ; P1.B-80@2980.3,2518.12 v1@2980.31,2605.31
  BOTTOM w8: v1(2381.89,3464.57) 2549.05,3464.57 2980.31,3033.31 v1(2980.31,2605.32)
KEY1: P1.C-23 | length 0.1
  TOP w8: P1.C-23@1776.48,1536.14 P1.C-23@1776.55,1536.21
KEY2: P1.A-67
LED1: P1.A-77 R16.1 | length 4290
  TOP w8: v1(638.97,4012.94) R16.1@638.97,4038.9 ; v1(3413.97,1339.17) P1.A-77@3491.63,1339.19
  BOTTOM w8: v1(638.97,4012.94) 638.97,3769.81 1806.1,2602.68 1806.1,2327.09 2794.02,1339.17 v1(3413.97,1339.17)
LED2: P1.A-75 R28.1 | length 4187.5
  TOP w8: v1(840.64,4013.27) R28.1@840.64,4038.9 ; v1(3412.83,1363.14) 3415,1363.14 3419.27,1358.87 P1.A-75@3491.63,1358.87
  BOTTOM w8: v1(840.64,4013.27) 840.64,3586.53 1822.83,2604.33 1822.83,2328.74 2788.43,1363.14 v1(3412.83,1363.14)
LED3: P1.A-73 R29.1 | length 4083.2
  TOP w8: v1(1042.3,4014.6) R29.1@1042.3,4038.9 ; v1(3411.42,1392.72) 3425.58,1378.56 P1.A-73@3491.63,1378.56
  BOTTOM w8: v1(1042.3,4014.6) 1042.3,3411.44 1838.09,2615.65 1838.09,2335.14 2780.51,1392.72 v1(3411.42,1392.72)
LED4: P1.A-71 R30.1 | length 3980.7
  TOP w8: v1(1243.97,4015.94) R30.1@1243.97,4038.9 ; v1(3411.42,1424.21) 3437.39,1398.24 P1.A-71@3491.63,1398.24
  BOTTOM w8: v1(1243.97,4015.94) 1243.97,3228.16 1851.09,2621.03 1851.09,2480.6 1853.35,2478.35 1853.35,2338.27 2767.4,1424.21 v1(3411.42,1424.21)
MAC_ALARM: P1.B-35 U10.20 | length 1762.7
  TOP w8: P1.B-35@2547.23,2358.68 2547.23,2305.32 2559.06,2293.5 v1(2559.06,2291.34) ; v1(3863.71,1781.5) 3876.28,1768.93 U10.20@3920.57,1768.93
  BOTTOM w8: v1(2559.06,2291.34) 2559.06,2224.41 3090.55,1692.91 3775.13,1692.91 v1(3863.71,1781.5)
MAC_BITE: P1.B-37 U10.P6 | length 1943.4
  TOP w8: P1.B-37@2566.91,2358.68 2567.83,2357.76 2567.83,2317.99 v1(2595.47,2290.35)
  IN2 w8: v1(2588.58,2627.95) 3454.72,2627.95 3461.41,2634.64 3851.58,2634.64 3901.57,2584.65 U10.P6@4071.55,2584.65
  BOTTOM w8: v1(2588.58,2627.95) 2568.9,2608.27 2568.9,2316.93 v1(2595.47,2290.35)
MAC_FREQ_CTRL: P1.B-33 U10.P1 | length 3966.3
  TOP w8: P1.B-33@2527.54,2358.68 2528.46,2357.76 2528.46,2292.4 v1(2529.53,2291.34)
  IN2 w8: v1(2529.53,2291.34) 2529.53,1874.1 ccw(c2629.53,1874.1) 2558.82,1803.39 3150.83,1211.38 ccw(c3221.54,1282.09) 3221.54,1182.09 5243.72,1182.09 cw(c5243.72,1082.09) 5314.43,1152.8 U10.P1@5587.3,879.92
MAC_PPS_IN0+: U3.6 U10.5 | length 2829.1
  TOP w8: v1(4015.75,1628.33) 4016.05,1628.63 4077.75,1628.63 U10.5@4078.05,1628.93 ; U3.6@5543.31,2804.33 5543.7,2804.72 5649.21,2804.72 v1(5649.61,2805.12)
  IN1 w8: v1(4015.75,1628.33) 5224.9,1628.33 ccw(c5224.9,1713.6) 5285.19,1653.3 5728.58,2096.69 ccw(c5657.87,2167.41) 5757.87,2167.41 5757.87,2655.43 ccw(c5657.87,2655.43) 5728.58,2726.14 v1(5649.61,2805.12)
MAC_PPS_IN0-: U3.5 U10.7 | length 2722.5
  TOP w8: v1(4015.75,1653.54) 4017.91,1653.54 4022.53,1648.93 U10.7@4078.05,1648.93 ; U3.5@5543.31,2754.33 5543.9,2754.92 5648.62,2754.92 v1(5649.21,2755.51)
  IN1 w8: v1(4015.75,1653.54) 5204.64,1653.54 ccw(c5204.64,1753.54) 5275.35,1682.83 5699.06,2106.54 ccw(c5628.35,2177.25) 5728.35,2177.25 5728.35,2634.96 ccw(c5628.35,2634.96) 5699.06,2705.67 v1(5649.21,2755.51)
MAC_PPS_IN1+: U3.7 U10.1 | length 3046.3
  TOP w8: v1(4015.75,1574.8) 4017.28,1576.33 4027.12,1576.33 4038.79,1588 4077.13,1588 U10.1@4078.05,1588.93 ; U3.7@5543.31,2854.33 v1(5708.66,2854.33)
  IN1 w8: v1(4015.75,1574.8) 5263.7,1574.8 ccw(c5263.7,1674.8) 5334.41,1604.09 5787.64,2057.32 ccw(c5716.93,2128.04) 5816.93,2128.04 5816.93,2704.64 ccw(c5716.93,2704.64) 5787.64,2775.35 v1(5708.66,2854.33)
MAC_PPS_IN1-: U3.8 U10.3 | length 2989.5
  TOP w8: v1(4015.75,1604.33) 4017.91,1604.33 4022.51,1608.93 U10.3@4078.05,1608.93 ; U3.8@5543.31,2904.33 5543.7,2903.94 v1(5649.21,2903.94) v1@5649.61,2903.54
  IN1 w8: v1(4015.75,1604.33) 5257.93,1604.33 ccw(c5257.93,1670.73) 5304.88,1623.78 5758.11,2077.01 ccw(c5687.4,2147.72) 5787.4,2147.72 5787.4,2675.11 ccw(c5687.4,2675.11) 5758.11,2745.82 5678.5,2825.44 cw(c5749.21,2896.15) 5649.21,2896.15 v1(5649.21,2903.94)
MAC_PPS_OUT+: R12.2 U4.2 U10.17 | length 1733.5
  TOP w8: v1(4014.61,1756.52) 4016.77,1756.52 4024.36,1748.93 U10.17@4078.05,1748.93 ; v1(4498.03,2844.49) 4552.17,2844.49 R12.2@4557.09,2849.41 cw(c4558.04,2848.46) 4558.04,2849.8 U4.2@4651.57,2849.8
  IN1 w8: v1(4014.61,1756.52) 4368.64,1756.52 ccw(c4368.64,1856.52) 4439.35,1785.81 4468.74,1815.2 ccw(c4398.03,1885.91) 4498.03,1885.91 v1(4498.03,2844.49)
MAC_PPS_OUT-: R12.1 U4.1 U10.19 | length 1742.7
  TOP w8: v1(4015.75,1781.5) 4017.91,1781.5 4030.48,1768.93 U10.19@4078.05,1768.93 ; v1(4498.03,2893.7) 4552.17,2893.7 R12.1@4557.09,2898.62 cw(c4559.94,2895.77) 4559.94,2899.8 U4.1@4651.57,2899.8
  IN1 w8: v1(4015.75,1781.5) 4350.31,1781.5 ccw(c4350.31,1881.5) 4421.02,1810.79 4439.21,1828.98 ccw(c4368.5,1899.69) 4468.5,1899.69 4468.5,2822.75 cw(c4568.5,2822.75) 4497.79,2893.46 v1(4498.03,2893.7)
MAC_RF_OUT: P1.B-11 P1.B-13 U10.P3 | length 3525.9
  TOP w8: v1(2310.04,2290.35) 2310.53,2290.84 2310.53,2358.19 P1.B-11@2311.01,2358.68 ; P1.B-13@2330.69,2358.68 2330.69,2297.45 2335.63,2292.52 v1(2335.63,2290.35)
  IN2 w8: v1(2310.04,2290.35) v1(2335.63,2290.35) cw(c2418.31,2290.35) 2418.31,2373.03 5487.3,2373.03 ccw(c5487.3,2473.03) 5587.3,2473.03 U10.P3@5587.3,2478.35
MAC_RX: P1.B-28 U10.P7 | length 1853.8
  TOP w8: P1.B-28@2468.49,2518.12 2468.49,2592.31 2476.38,2600.2 v1(2476.38,2602.36)
  IN2 w8: v1(2476.38,2602.36) 2531.5,2657.48 4116.83,2657.48 U10.P7@4189.66,2584.65
MAC_TX: P1.B-26 U10.P8 | length 2007.4
  TOP w8: P1.B-26@2448.8,2518.12 v1(2448.82,2602.36)
  IN2 w8: v1(2448.82,2602.36) 2448.82,2603.09 2516.21,2670.48 4221.94,2670.48 U10.P8@4307.77,2584.65
MAC_USB+: P1.B-72 U10.2 | length 1904.6
  TOP w8: v1(2900.59,2606.3) 2901.08,2605.81 2901.08,2518.6 P1.B-72@2901.56,2518.12 ; v1(3864.58,1577.86) 3866.74,1577.86 3876.88,1588 3919.65,1588 U10.2@3920.57,1588.93
  IN2 w8: v1(2899.23,2175.2) 2899.23,2031.87 3385.83,1545.28 3740.16,1545.28 3772.75,1577.86 v1(3864.58,1577.86)
  BOTTOM w8: v1(2899.23,2175.2) 2900.59,2176.56 v1(2900.59,2606.3)
MAC_USB-: P1.B-74 U10.4 | length 1828.3
  TOP w8: P1.B-74@2921.24,2518.12 2921.24,2568.22 2930.69,2577.66 v1(2930.69,2579.83) ; v1(3864.33,1608.93) U10.4@3920.57,1608.93
  IN2 w8: v1(2933.07,2175.2) 2933.07,2016.42 3391.21,1558.28 3723.63,1558.28 3774.28,1608.93 v1(3864.33,1608.93)
  BOTTOM w8: v1(2930.69,2579.83) 2931.88,2578.63 2931.88,2176.39 v1(2933.07,2175.2)
MAC_USB_PWR: P1.B-8 U10.6 | length 2385.1
  TOP w8: P1.B-8@2271.64,2518.12 2271.64,2589.36 2280.51,2598.23 v1(2280.51,2600.39) ; v1(3863.72,1634.66) 3865.04,1634.66 3870.78,1628.93 U10.6@3920.57,1628.93
  BOTTOM w8: v1(2280.51,2600.39) 2278.35,2600.39 2263.78,2585.83 2263.78,2204.72 2833.84,1634.66 v1(3863.72,1634.66)
NetAN1_1: AN1.1 D2.3 J6.2 R14.2 | length 984.4
  TOP w8: AN1.1@199.84,2481.06 584.88,2481.06 J6.2@585.63,2480.32 ; D2.3@590.55,2273.62 590.55,2475.39 J6.2@585.63,2480.32 ; R14.2@974.41,2482.28 972.44,2480.32 J6.2@585.63,2480.32
NetAN2_1: AN2.1 D2.2 J5.2 R17.2 | length 1012.7
  TOP w8: AN2.1@199.84,1956.06 582.32,1956.06 J5.2@585.63,1952.76 J5.2@587.6,1954.72 ; D2.2@590.55,2187.01 590.55,1957.68 J5.2@587.6,1954.72 ; R17.2@974.41,1960.63 968.5,1954.72 J5.2@587.6,1954.72
NetAN3_1: AN3.1 D1.3 J9.2 R15.2 | length 996.8
  TOP w8: AN3.1@199.84,1431.06 583.62,1431.06 J9.2@585.63,1433.07 ; D1.3@588.58,1214.57 585.63,1217.52 J9.2@585.63,1433.07 ; R15.2@974.41,1429.13 970.47,1433.07 J9.2@585.63,1433.07
NetAN4_1: AN4.1 D1.2 J10.2 R25.2 | length 1002.2
  TOP w8: AN4.1@199.84,906.06 J10.2@585.08,906.06 ; D1.2@588.58,1127.95 588.58,909.57 J10.2@585.08,906.06 ; R25.2@974.41,907.48 970.47,911.42 591.54,911.42 J10.2@585.63,905.51 J10.2@585.08,906.06
NetC3_1: C3.1 U2.1 | length 118.2
  TOP w8: U2.1@6352.28,2241.06 6468.35,2241.06 C3.1@6469.84,2239.57
NetC3_2: C3.2 L2.2 U2.3 | length 439.5
  TOP w8: U2.3@6352.28,2341.06 6397.13,2341.06 6435.63,2302.56 C3.2@6469.84,2302.56 6643.11,2302.56 6679.84,2339.29 L2.2@6679.84,2420.12
NetC4_1: C4.1 U1.1 | length 123.2
  TOP w8: C4.1@6519.84,2017.56 6533.35,2031.06 U1.1@6637.4,2031.06
NetC4_2: C4.2 L1.2 U1.3 | length 374.5
  TOP w8: L1.2@6319.84,1842.01 6369.06,1842.01 6481.61,1954.57 C4.2@6519.84,1954.57 6519.84,1953.58 6542.36,1931.06 U1.3@6637.4,1931.06
NetC19_2: C19.2 U1.8 | length 71.8
  TOP w8: U1.8@6832.28,2031.06 6836.13,2031.06 6843.35,2038.28 C19.2@6843.35,2096.06
NetC20_1: C20.1 R8.2 | length 71.6
  TOP w8: C20.1@6931.77,1931.06 C20.1@6939.84,1922.99 ; C20.1@6939.84,1932.64 6999.96,1932.64 R8.2@7000,1932.68
NetC20_2: C20.2 U1.6 | length 145.1
  TOP w8: U1.6@6832.28,1931.06 6887.83,1931.06 6897.64,1921.26 6897.64,1893.7 6909.45,1881.89 6937.44,1881.89 C20.2@6939.84,1879.49
NetC21_2: C21.2 U2.8 | length 70.4
  TOP w8: C21.2@6156.34,2171.06 6156.34,2240 U2.8@6157.4,2241.06
NetC22_1: C22.1 R9.2 | length 65.5
  TOP w8: R9.2@6003.94,2335.04 6004.49,2334.49 C22.1@6064.84,2334.49 ; C22.1@6064.84,2344.13 C22.1@6067.91,2341.06
NetC22_2: C22.2 U2.6 | length 128
  TOP w8: C22.2@6064.84,2387.64 6066.65,2385.83 6090.55,2385.83 6098.43,2377.95 6098.43,2350.39 6107.76,2341.06 U2.6@6157.4,2341.06
NetC44_1: C44.1 P2.A13 | length 194.3
  BOTTOM w5: P2.A13@2348.43,137.8 ccw(c2345,141.22) 2349.84,141.22 C44.1@2349.84,329.13 ccw(c2351.36,327.61) C44.1@2349.21,327.61
  BOTTOM w8: P2.A13@2349.21,111.06 P2.A13@2349.84,111.69
NetC45_1: C45.1 P2.A14 | length 191.9
  BOTTOM w5: P2.A14@2387.8,137.8 ccw(c2382.85,142.74) 2389.84,142.74 C45.1@2389.84,329.13